# Altium PCB Z693_H93-A_KD01_V1.3_X6.PcbDoc (part 5 of 7) (continued)
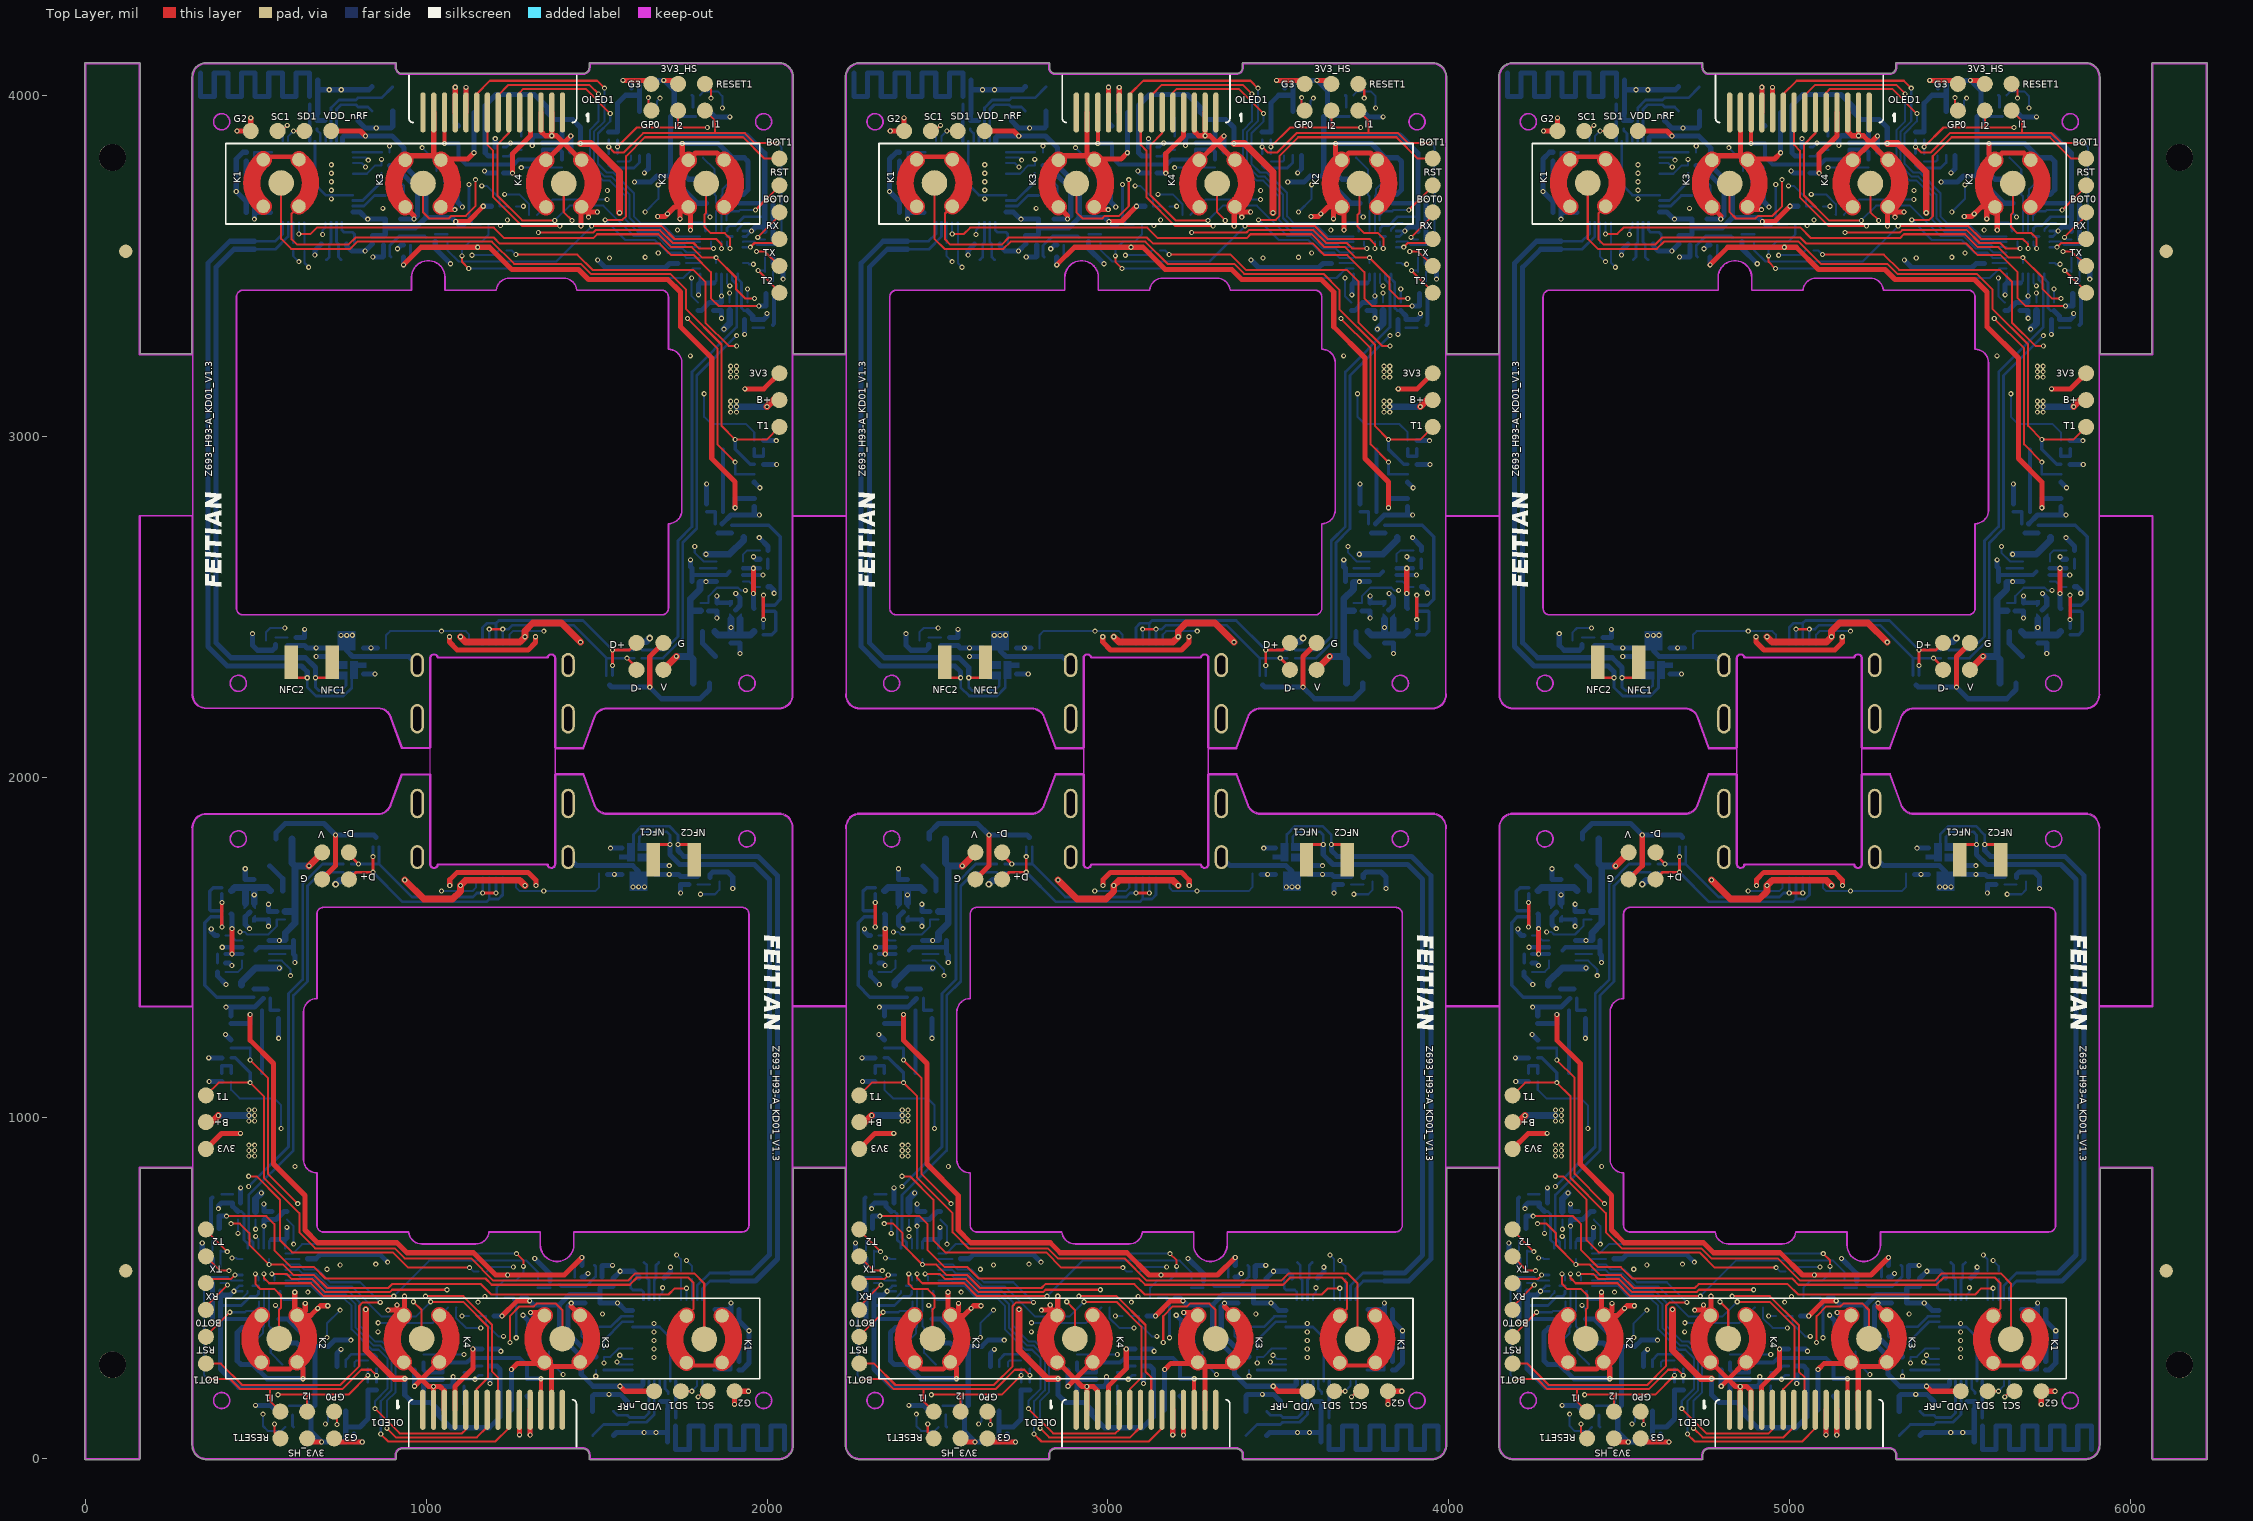
[diagram p0: Top Layer view]
## Nets (pads, with @x,y where several pads share a name; then routed paths per layer and width w, separated by ;. In a path a pad name is that pad's centre, name@x,y a point inside that pad or via, vN(x,y) a via of type N, cw(c..) or ccw(c..) an arc to the next point about the centre after c; other vN are vias at no path point) (continued)
4401.92,433.59 ; 4413.54,3866.49 4413.54,3899.94 v1(4426.59,3912.99) ; 4420.9,507.36 4496.09,507.36 4533.57,469.88 4593.99,469.88 4615.42,448.44 4615.42,379.88 4675.48,319.82 4695.1,319.82 4720.53,294.39 4720.53,205.5 4684.53,169.5 v1(4684.53,146.89) ; 4420.9,523.1 4458.28,523.1 4462.03,519.36 4501.06,519.36 4538.54,481.88 4598.96,481.88 4627.42,453.41 4627.42,384.85 4680.45,331.82 4700.07,331.82 4732.53,299.36 4732.53,200.53 4701.03,169.03 v1(4701.03,72.39) ; 4420.9,538.85 4459.5,538.85 4467,531.36 4506.03,531.36 4543.51,493.88 4603.93,493.88 4639.42,458.38 4639.42,389.82 4685.42,343.82 4705.04,343.82 4744.53,304.33 4744.53,195.56 4719,170.03 v1(4719,89.09) ; 4420.9,554.6 4460.73,554.6 4471.97,543.36 4511,543.36 4548.48,505.88 4615.45,505.88 4704.45,416.88 4803.82,416.88 v1(4847.45,460.51) ; 4420.9,570.35 4461.95,570.35 4476.94,555.36 4515.97,555.36 4553.45,517.88 4640.4,517.88 v1(4699.45,458.82) ; 4420.9,586.1 4462.28,586.1 ; 4420.9,601.84 4442.81,601.84 4470.53,629.56 4747.81,629.56 4775.53,601.84 v1(5099.65,601.84) ; 4426.4,701.65 4445.53,682.53 v1(4445.53,629.56) ; 4429.29,3866.49 4429.29,3880.74 v1(4445.03,3896.49) ; 4444.28,3544.2 4444.28,3529.44 v1(4460.61,3513.12) ; 4444.28,3567.82 4444.28,3627.55 4445.03,3628.3 ; v1(4460.78,3594.3) 4460.78,3628.3 ; 4476.53,3628.3 4477.28,3627.55 4477.28,3567.82 ; 4477.28,3544.2 4477.28,3508.94 v1(4489.61,3496.62) ; v1(4530.61,3592.62) 4530.61,3605.7 4539.52,3614.62 4539.52,3628.3 ; v1(4538.53,101.56) 4546.91,109.94 4546.91,140.17 ; v1(4543.45,355.88) 4543.45,397.3 v1(4582.03,435.88) ; v1(4572.76,100.1) 4572.76,140.17 ; 4619.25,3771.02 4660.01,3771.02 4684.39,3795.4 4703.32,3795.4 v1@4703.32,3813.11 ; 4619.25,3802.51 4644.95,3802.51 v1(4656.53,3790.93) ; 4619.25,3818.26 4657.2,3818.26 v1(4664.53,3810.93) ; 4624.09,270.1 4624.09,283.12 4628.65,287.68 4663.13,287.68 ; v1(4693.49,398.91) 4853.81,398.91 4898.91,444.01 ; 4717.15,2377.4 4717.15,2417.29 4728.53,2428.67 v1(4879.53,2428.67) 4950.52,2428.67 4960.57,2418.62 4960.57,2390.14 ; 4726.94,3747.4 4757.07,3747.4 4769.25,3735.22 4769.25,3707.4 ; 4726.94,3834.01 v1(4726.94,3852.34) ; v1(4739.08,477.01) 4843.13,581.06 5128.92,581.06 5162.47,547.51 5162.47,525 ; v1(4822.61,3847.62) 4864.05,3806.17 4864.05,3779.47 ; 4826.54,305.72 4861.86,305.72 4865.29,302.29 ; v1(4879.27,1665.82) 4970.33,1665.82 4980.38,1675.87 4980.38,1704.35 ; 4888.91,302.29 4892.34,305.72 4910.91,305.72 4911.1,305.53 v1(4945.53,305.53) ; 4891.61,3788.33 4891.84,3788.56 4925.08,3788.56 ; 4896.59,3569.49 4896.59,3546.98 4930.14,3513.43 5215.93,3513.43 v1(5319.98,3617.48) ; 4923.03,443.51 4922.53,444.01 4922.53,412.67 4951.33,383.88 v1(4994.45,383.88) ; v1(4939.53,419.01) 4960.53,419.01 ; v1(4939.53,3529.93) 4939.53,3549.54 4961.92,3571.93 4996.92,3571.93 5017.61,3592.62 5017.61,3622.62 ; v1(4959.41,3492.65) 5283.53,3492.65 5311.25,3464.93 5588.53,3464.93 5616.25,3492.65 5638.16,3492.65 ; v1(4961.61,560.78) 4973.51,548.88 4988.45,548.88 ; v1(4968.96,3531.93) 5033.3,3531.93 5046.99,3545.62 ; 4984.15,419.01 5009.53,419.01 5009.53,395.88 5046.31,359.1 v1(5061.45,359.1) ; v1(4997.61,3735.4) 5012.75,3735.4 5049.53,3698.62 5049.53,3675.48 5074.91,3675.48 ; 5012.07,548.88 5025.76,562.56 v1(5090.1,562.56) ; 5041.45,471.88 5041.45,501.88 5062.14,522.56 5097.14,522.56 5119.53,544.95 v1(5119.53,564.56) ; v1(5064.61,3710.62) 5107.73,3710.62 5136.53,3681.82 5136.53,3650.48 5136.03,3650.98 ; 5070.61,3545.62 5085.55,3545.62 v1(5097.45,3533.72) ; 5078.68,2390.14 5078.68,2418.62 5088.73,2428.67 v1(5179.79,2428.67) ; 5098.49,1704.35 5098.49,1675.87 5108.54,1665.82 v1(5179.53,1665.82) 5330.53,1665.82 5341.91,1677.2 5341.91,1717.1 ; 5098.53,3675.48 v1(5119.53,3675.48) ; v1(5113.53,3788.96) 5147.96,3788.96 5148.15,3788.77 5166.72,3788.77 5170.15,3792.2 ; 5133.98,305.93 5167.22,305.93 5167.45,306.16 ; 5160.15,3650.48 5205.25,3695.58 v1(5365.57,3695.58) ; 5193.77,3792.2 5197.2,3788.77 5232.52,3788.77 ; 5195.01,315.02 5195.01,288.32 v1(5236.45,246.88) ; v1(5211.61,3633.98) 5255.24,3677.62 5354.61,3677.62 5443.61,3588.62 5510.58,3588.62 5548.06,3551.14 5587.09,3551.14 5598.34,3539.89 5638.16,3539.89 ; 5289.81,387.1 5289.81,359.28 5301.99,347.1 5332.12,347.1 ; v1(5332.12,242.15) 5332.12,260.48 ; v1(5340.06,4005.4) 5340.06,3924.46 5314.53,3898.93 5314.53,3790.16 5354.02,3750.67 5373.64,3750.67 5419.64,3704.67 5419.64,3636.11 5455.13,3600.62 5515.55,3600.62 5553.03,3563.14 5592.06,3563.14 5599.56,3555.64 5638.16,3555.64 ; v1@5355.74,281.38 5355.74,299.1 5374.67,299.1 5399.05,323.47 5439.81,323.47 ; v1(5358.03,4022.1) 5358.03,3925.46 5326.53,3893.96 5326.53,3795.13 5358.99,3762.67 5378.61,3762.67 5431.64,3709.64 5431.64,3641.08 5460.1,3612.62 5520.52,3612.62 5558,3575.14 5597.03,3575.14 5600.78,3571.39 5638.16,3571.39 ; v1(5359.61,3635.67) 5418.66,3576.62 5505.61,3576.62 5543.09,3539.14 5582.12,3539.14 5597.11,3524.14 5638.16,3524.14 ; v1(5374.53,3947.6) 5374.53,3924.99 5338.53,3888.99 5338.53,3800.1 5363.96,3774.67 5383.58,3774.67 5443.64,3714.62 5443.64,3646.05 5465.08,3624.62 5525.49,3624.62 5562.97,3587.14 5638.16,3587.14 ; v1(5394.53,283.56) 5401.86,276.23 5439.81,276.23 ; 5395.93,3806.81 5430.41,3806.81 5434.97,3811.37 5434.97,3824.4 ; v1(5402.53,303.56) 5414.11,291.98 5439.81,291.98 ; v1(5477.03,3658.62) 5515.61,3697.19 v1(5515.61,3738.62) ; 5486.3,3954.32 v1(5486.3,3994.39) ; 5512.15,3954.32 5512.15,3984.55 v1(5520.53,3992.93) ; 5519.54,466.19 5519.54,479.88 5528.45,488.79 v1(5528.45,501.88) ; v1(5569.45,597.88) 5581.78,585.55 5581.78,550.29 ; 5581.78,526.67 5581.78,466.94 5582.53,466.19 ; 5596.78,3508.4 5638.16,3508.4 ; 5598.28,466.19 v1(5598.28,500.19) ; v1(5598.45,581.38) 5614.78,565.05 5614.78,550.29 ; v1(5613.53,3464.93) 5613.53,3411.96 5632.66,3392.84 ; v1(5614.03,198) 5629.77,213.75 5629.77,228 ; 5614.03,466.19 5614.78,466.94 5614.78,526.67 ; v1(5622.53,2676.93) 5622.53,2658.93 5648.54,2632.92 5685.78,2632.92 ; 5630.99,1684.65 5667.22,1684.65 ; v1(5632.47,181.5) 5645.52,194.55 5645.52,228 ; 5637.92,4001.4 5649.14,4012.62 5689.61,4012.62 5703.61,3998.62 v1(5703.61,3963.62) ; 5638.14,2613.24 5685.78,2613.24 ; 5639.15,2511.91 5663.15,2511.91 5663.15,2531.4 5687.8,2556.04 5749.42,2556.04 5757.03,2548.43 v1(5771.03,2548.43) ; v1(5639.53,1656.56) 5682.14,1656.56 5694.78,1669.21 5694.78,1693.51 ; 5646.53,3817.89 5680.77,3783.65 5680.77,3709.9 5685.4,3705.26 5685.4,3684.52 ; v1(5650.27,3125.19) 5650.27,3057.68 5670.81,3037.14 5772.11,3037.14 5797.15,3012.1 5797.15,2987.62 ; 5657.14,3660.9 5657.14,3654.32 v1(5667.14,3644.32) ; 5669.66,3571.39 5669.66,3559.9 v1(5677.65,3551.91) ; 5685.4,3508.4 v1(5685.4,3524.82) ; 5685.4,3602.88 5685.4,3660.9 ; v1(5701.15,3551.91) 5701.15,3571.39 ; 5701.15,3602.88 5701.15,3706.91 5704.14,3709.9 5704.14,3725.9 5733.14,3754.9 ; v2(5715.31,3633.71) 5715.31,3648.44 5727.77,3660.9 5752.25,3660.9 5755.97,3664.62 v1(5800.88,3664.62) ; 5716.9,3476.9 5716.9,3450.18 v1(5725.15,3441.93) ; 5716.9,3571.39 5716.9,3560.91 v1(5725.9,3551.91) ; 5725.15,3392.84 v1@5725.15,3420.93 ; 5748.4,3602.88 5748.4,3607.38 5766.95,3625.93 v2(5782.53,3625.93) ; 5764.14,3508.4 5779.53,3508.4 5782.49,3505.43 v1(5794.53,3505.43) v1@5798.53,3505.43 ; 5764.14,3571.39 5764.9,3572.14 5796.4,3572.14 5806.65,3561.9 5863.92,3561.9 5876.61,3574.58 5876.61,3850.03 v1(5866.05,3860.59) ; 5764.52,2573.87 5782.68,2573.87 5797.68,2558.87 5813.9,2558.87 ; 5764.52,2632.92 5764.52,2653.77 5776.68,2665.92 5813.9,2665.92 ; 5777.15,3392.84 v1(5777.15,3433.06) ; v1(5807.48,3584.4) 5813.48,3578.4 5828.15,3578.4 ; v1(5808.53,3486.93) 5824.62,3486.93 5828.15,3483.4 5828.15,3507.4 5828.15,3531.49 ; 5842.75,3446.69 5851.77,3455.72 5851.77,3483.4
  Bottom Layer w8: 396.26,449.69 456.98,449.69 483.58,476.29 500.62,476.29 507.51,483.19 v2(507.51,491.61) ; 399.84,775.84 431.77,775.84 ; 427.26,1205.1 483.26,1205.1 v1(483.26,1169.94) ; v1@431.54,491.61 v1(435.26,491.61) ; v1(438.59,538.85) 460.27,538.85 ; 447.26,725.28 457.37,725.28 464.88,717.77 464.88,642.39 476.02,631.26 476.02,617.59 ; 460.27,491.61 v1(435.26,491.61) ; 460.27,507.36 451.01,507.36 v1(435.26,491.61) ; v1(478.88,798.56) 595.88,915.56 595.88,1364.95 637.26,1406.33 637.26,1687.13 695.23,1745.1 756.64,1745.1 ; v2(491.76,507.36) 507.51,507.36 ; 491.76,617.59 491.76,635.31 478.88,648.19 478.88,773.81 609.88,904.81 609.88,1359.15 651.26,1400.53 651.26,1681.33 691.02,1721.1 756.64,1721.1 ; 495.41,3808.4 495.41,3834.01 546.41,3834.01 ; 495.5,3549.4 557.5,3549.4 594.64,3586.53 594.64,3628.3 ; 495.5,3573.02 557.13,3573.02 578.89,3594.78 578.89,3628.3 ; 523.26,617.59 v1(523.26,682.56) ; 539.01,617.59 539.01,636.88 546.01,643.88 ; 570.5,491.61 570.5,478.66 581.6,467.56 604.46,467.56 614.07,477.17 v1(614.07,488.64) ; 586.25,617.59 586.25,643.88 ; 598.76,155.6 653.12,155.6 653.12,186.21 649.73,189.6 ; 607.12,128.54 607.12,96.1 610.12,93.1 ; v1(650.88,2291.93) 650.88,2263.88 676.58,2238.19 757.3,2238.19 781.58,2262.47 781.58,2306.4 ; 673.38,3866.49 673.38,3755.27 665.5,3747.4 704.87,3708.03 784.6,3708.03 ; v1(674.74,2291.93) 674.74,2264.03 684.58,2254.19 749.3,2254.19 764.5,2269.4 764.5,2303.86 ; 679.5,3903.4 679.5,3898.4 689.13,3888.77 689.13,3866.49 ; 704.87,3866.49 704.87,3903.03 ; 707.2,3518.4 715.5,3526.7 715.5,3564.4 720.62,3569.51 720.62,3628.3 ; 720.62,3866.49 720.62,3964.31 743.71,3987.4 793.54,3987.4 800,3993.85 869.09,3993.85 901.56,4026.32 ; 736.37,3628.3 736.37,3570.53 742.5,3564.4 742.5,3526.4 750.5,3518.4 ; 736.37,3866.49 736.37,3960.26 749.5,3973.4 793.45,3973.4 800,3966.85 828.98,3966.85 840.44,3955.39 ; 752.12,3628.3 752.12,3605.78 758.5,3599.4 783.5,3599.4 789.5,3593.4 789.5,3567.82 ; 763.85,270.1 763.85,290.28 780.39,306.82 846.62,306.82 854.07,299.37 854.07,287.68 ; 780.26,1697.1 780.26,1721.1 v1(843.54,1721.1) 930.32,1634.32 1176.83,1634.32 1185.1,1642.6 ; 780.26,1745.1 v1(800.88,1745.1) 861.26,1745.1 ; 784.6,3676.53 817.6,3676.53 848.47,3707.4 879.6,3707.4 ; 784.6,3692.28 813.55,3692.28 868.67,3747.4 868.67,3771.4 ; 784.6,3834.01 868.67,3834.01 ; 828.48,224.72 v1(828.48,244.56) 828.48,264.06 ; v1(843.54,1766.81) 843.54,1796.1 ; 854.07,224.72 v1(854.07,244.56) 854.07,264.06 ; 861.26,1796.1 861.26,1745.1 ; 896.22,3526.95 892.75,3530.43 892.75,3560.31 921.39,3588.95 944.86,3588.95 994.24,3588.95 998.95,3584.25 ; 953.72,3561.4 953.72,3529.95 956.72,3526.95 ; 1026.5,3593.11 1061.95,3593.11 ; 1110.76,159.88 1110.76,213.41 ; 1110.76,233.1 v1(1142.88,233.1) 1154.88,245.1 1163.63,245.1 ; 1110.76,252.78 1128.1,252.78 1147.1,271.78 1163.63,271.78 ; v1(1125.63,3739.43) 1125.63,3635.73 1133.5,3627.86 1133.5,3622.48 1159.21,3622.48 ; 1165.29,2390.14 1165.29,2439.46 1177.73,2451.9 1204.66,2451.9 ; 1165.42,1704.35 v1(1165.42,1660.1) 1148.34,1660.1 1136.57,1648.32 958.04,1648.32 861.26,1745.1 ; 1184.98,2390.14 v1(1184.98,2434.4) ; 1185.1,1704.35 1185.1,1642.6 ; 1204.66,2390.14 1204.66,2451.9 ; v1(1204.79,1660.1) 1204.79,1704.35 ; 1224.35,2390.14 v1(1224.35,2434.4) 1241.42,2434.4 1253.2,2446.17 1431.73,2446.17 1528.5,2349.4 ; 1224.47,1704.35 1224.47,1655.03 1212.04,1642.6 1185.1,1642.6 ; 1226.13,3822.71 1242.66,3822.71 1261.66,3841.71 1279.01,3841.71 ; 1226.13,3849.4 1234.88,3849.4 v1(1246.88,3861.4) 1279.01,3861.4 ; 1230.56,472.01 1256.26,472.01 1256.26,466.63 1264.13,458.76 v1(1264.13,355.06) ; 1279.01,3881.08 1279.01,3934.62 ; 1327.82,501.38 1363.26,501.38 ; 1390.82,510.24 1395.52,505.54 1444.9,505.54 1468.37,505.54 1497.02,534.18 1497.02,564.06 1493.54,567.54 ; 1433.04,567.54 1436.04,564.54 1436.04,533.1 ; 1488.21,68.17 1520.68,100.64 1589.77,100.64 1596.23,107.1 1646.06,107.1 1669.14,130.18 1669.14,228 ; 1510.17,387.1 1541.3,387.1 1572.16,417.96 1605.17,417.96 ; 1521.1,260.48 1605.17,260.48 ; 1521.1,323.1 1521.1,347.1 1576.21,402.21 1605.17,402.21 ; 1528.5,2298.4 1528.5,2349.4 ; 1535.69,3806.81 1535.69,3795.12 1543.14,3787.67 1609.37,3787.67 1625.91,3804.21 1625.91,3824.4 ; 1535.69,3830.43 v1(1535.69,3849.93) 1535.69,3869.77 ; 1546.22,2298.4 v1(1546.22,2327.68) ; 1549.33,139.1 1560.79,127.64 1589.77,127.64 1596.31,121.1 1640.26,121.1 1653.39,134.23 1653.39,228 ; 1561.28,3830.43 v1(1561.28,3849.93) 1561.28,3869.77 ; 1600.26,526.67 1600.26,501.1 1606.26,495.1 1631.26,495.1 1637.65,488.71 1637.65,466.19 ; 1605.17,386.47 1684.89,386.47 1724.26,347.09 1716.39,339.22 1716.39,228 ; 1608.19,1788.1 1608.19,1832.02 1632.47,1856.3 1713.19,1856.3 1738.88,1830.61 v1(1738.88,1802.56) ; 1609.5,2349.4 v1(1588.88,2349.4) 1528.5,2349.4 ; 1609.5,2397.4 1609.5,2373.4 v1(1546.22,2373.4) 1459.45,2460.17 1212.94,2460.17 1204.66,2451.9 ; 1625.26,1790.63 1625.26,1825.1 1640.47,1840.3 1705.19,1840.3 1715.02,1830.46 v1(1715.02,1802.56) ; 1633.13,2349.4 1694.54,2349.4 1752.5,2407.36 1752.5,2688.16 1793.88,2729.54 1793.88,3178.93 v1(1910.88,3295.93) ; 1633.13,2373.4 1698.74,2373.4 1738.5,2413.16 1738.5,2693.96 1779.88,2735.34 1779.88,3189.68 1910.88,3320.68 1910.88,3446.3 1898,3459.18 1898,3476.9 ; 1639.26,576.1 1647.26,568.1 1647.26,530.1 1653.39,523.96 1653.39,466.19 ; 1669.14,466.19 1669.14,524.98 1674.26,530.1 1674.26,567.79 1682.57,576.1 ; 1684.89,191.47 1684.89,228 ; 1700.64,228 1700.64,205.72 1710.26,196.1 1710.26,191.1 ; 1740.03,3904.89 1736.65,3908.28 1736.65,3938.89 1791.01,3938.89 ; v1(1775.7,3605.85) 1775.7,3617.32 1785.31,3626.93 1808.16,3626.93 1819.26,3615.83 1819.26,3602.88 ; 1779.65,4001.4 1782.65,3998.4 1782.65,3965.95 ; 1795.13,466.19 1795.13,507.96 1832.26,545.1 1894.26,545.1 ; 1803.51,3450.62 1803.51,3476.9 ; 1810.87,466.19 1810.87,499.71 1832.64,521.47 1894.26,521.47 ; 1843.35,260.48 1894.35,260.48 1894.35,286.1 ; 1843.76,3450.62 1850.76,3457.62 1850.76,3476.9 ; v1(1866.5,3411.93) 1866.5,3476.9 ; 1882.25,3587.14 v2(1898,3587.14) ; v2(1882.25,3602.88) 1882.25,3611.3 1889.15,3618.2 1906.18,3618.2 1932.78,3644.8 1993.5,3644.8 ; v1(1906.5,2924.55) 1906.5,2889.4 1962.5,2889.4 ; 1913.75,3476.9 1913.75,3463.23 1924.88,3452.1 1924.88,3376.73 1932.39,3369.21 1942.5,3369.21 ; 1929.5,3555.64 v1(1951.18,3555.64) ; 1929.5,3587.14 1938.76,3587.14 v1(1954.5,3602.88) ; 1929.5,3602.88 v1(1954.5,3602.88) ; 1957.99,3318.65 1989.93,3318.65 ; v1@1958.23,3602.88 v1(1954.5,3602.88) ; 2313.58,449.69 2374.31,449.69 2400.91,476.29 2417.94,476.29 2424.84,483.19 v2(2424.84,491.61) ; 2317.16,775.84 2349.1,775.84 ; 2344.58,1205.1 2400.58,1205.1 v1(2400.58,1169.94) ; v1@2348.86,491.61 v1(2352.58,491.61) ; v1(2355.91,538.85) 2377.59,538.85 ; 2364.58,725.28 2374.7,725.28 2382.21,717.77 2382.21,642.39 2393.34,631.26 2393.34,617.59 ; 2377.59,491.61 v1(2352.58,491.61) ; 2377.59,507.36 2368.33,507.36 v1(2352.58,491.61) ; v1(2396.21,798.56) 2513.21,915.56 2513.21,1364.95 2554.58,1406.33 2554.58,1687.13 2612.55,1745.1 2673.96,1745.1 ; v2(2409.09,507.36) 2424.84,507.36 ; 2409.09,617.59 2409.09,635.31 2396.21,648.19 2396.21,773.81 2527.21,904.81 2527.21,1359.15 2568.58,1400.53 2568.58,1681.33 2608.35,1721.1 2673.96,1721.1 ; 2412.73,3808.4 2412.73,3834.01 2463.73,3834.01 ; 2412.83,3549.4 2474.83,3549.4 2511.96,3586.53 2511.96,3628.3 ; 2412.83,3573.02 2474.45,3573.02 2496.21,3594.78 2496.21,3628.3 ; 2440.58,617.59 v1(2440.58,682.56) ; 2456.33,617.59 2456.33,636.88 2463.33,643.88 ; 2487.83,491.61 2487.83,478.66 2498.93,467.56 2521.78,467.56 2531.39,477.17 v1(2531.39,488.64) ; 2503.58,617.59 2503.58,643.88 ; 2516.08,155.6 2570.44,155.6 2570.44,186.21 2567.06,189.6 ; 2524.44,128.54 2524.44,96.1 2527.44,93.1 ; v1(2568.21,2291.93) 2568.21,2263.88 2593.9,2238.19 2674.62,2238.19 2698.9,2262.47 2698.9,2306.4 ; 2590.7,3866.49 2590.7,3755.27 2582.83,3747.4 2622.2,3708.03 2701.92,3708.03 ; v1(2592.06,2291.93) 2592.06,2264.03 2601.9,2254.19 2666.62,2254.19 2681.83,2269.4 2681.83,2303.86 ; 2596.83,3903.4 2596.83,3898.4 2606.45,3888.77 2606.45,3866.49 ; 2622.2,3866.49 2622.2,3903.03 ; 2624.52,3518.4 2632.83,3526.7 2632.83,3564.4 2637.95,3569.51 2637.95,3628.3 ; 2637.95,3866.49 2637.95,3964.31 2661.03,3987.4 2710.86,3987.4 2717.32,3993.85 2786.41,3993.85 2818.88,4026.32 ; 2653.69,3628.3 2653.69,3570.53 2659.83,3564.4 2659.83,3526.4 2667.83,3518.4 ; 2653.69,3866.49 2653.69,3960.26 2666.83,3973.4 2710.78,3973.4 2717.32,3966.85 2746.3,3966.85 2757.76,3955.39 ; 2669.44,3628.3 2669.44,3605.78 2675.83,3599.4 2700.83,3599.4 2706.83,3593.4 2706.83,3567.82 ; 2681.17,270.1 2681.17,290.28 2697.72,306.82 2763.95,306.82 2771.4,299.37 2771.4,287.68 ; 2697.58,1697.1 2697.58,1721.1 v1(2760.87,1721.1) 2847.64,1634.32 3094.15,1634.32 3102.43,1642.6 ; 2697.58,1745.1 v1(2718.21,1745.1) 2778.58,1745.1 ; 2701.92,3676.53 2734.93,3676.53 2765.79,3707.4 2796.92,3707.4 ; 2701.92,3692.28 2730.88,3692.28 2785.99,3747.4 2785.99,3771.4 ; 2701.92,3834.01 2785.99,3834.01 ; 2745.8,224.72 v1(2745.8,244.56) 2745.8,264.06 ; v1(2760.87,1766.81) 2760.87,1796.1 ; 2771.4,224.72 v1(2771.4,244.56) 2771.4,264.06 ; 2778.58,1796.1 2778.58,1745.1 ; 2813.55,3526.95 2810.07,3530.43 2810.07,3560.31 2838.72,3588.95 2862.19,3588.95 2911.57,3588.95 2916.27,3584.25 ; 2871.05,3561.4 2871.05,3529.95 2874.05,3526.95 ; 2943.83,3593.11 2979.27,3593.11 ; 3028.08,159.88 3028.08,213.41 ; 3028.08,233.1 v1(3060.21,233.1) 3072.21,245.1 3080.95,245.1 ; 3028.08,252.78 3045.43,252.78 3064.43,271.78 3080.95,271.78 ; v1(3042.96,3739.43) 3042.96,3635.73 3050.83,3627.86 3050.83,3622.48 3076.53,3622.48 ; 3082.62,2390.14 3082.62,2439.46 3095.05,2451.9 3121.99,2451.9 ; 3082.74,1704.35 v1(3082.74,1660.1) 3065.67,1660.1 3053.89,1648.32 2875.36,1648.32 2778.58,1745.1 ; 3102.3,2390.14 v1(3102.3,2434.4) ; 3102.43,1704.35 3102.43,1642.6 ; 3121.99,2390.14 3121.99,2451.9 ; v1(3122.11,1660.1) 3122.11,1704.35 ; 3141.67,2390.14 v1(3141.67,2434.4) 3158.75,2434.4 3170.52,2446.17 3349.05,2446.17 3445.83,2349.4 ; 3141.8,1704.35 3141.8,1655.03 3129.36,1642.6 3102.43,1642.6 ; 3143.46,3822.71 3159.99,3822.71 3178.99,3841.71 3196.33,3841.71 ; 3143.46,3849.4 3152.21,3849.4 v1(3164.21,3861.4) 3196.33,3861.4 ; 3147.88,472.01 3173.58,472.01 3173.58,466.63 3181.46,458.76 v1(3181.46,355.06) ; 3196.33,3881.08 3196.33,3934.62 ; 3245.14,501.38 3280.58,501.38 ; 3308.14,510.24 3312.84,505.54 3362.23,505.54 3385.7,505.54 3414.34,534.18 3414.34,564.06 3410.87,567.54 ; 3350.37,567.54 3353.37,564.54 3353.37,533.1 ; 3405.53,68.17 3438,100.64 3507.09,100.64 3513.55,107.1 3563.38,107.1 3586.47,130.18 3586.47,228 ; 3427.49,387.1 3458.62,387.1 3489.49,417.96 3522.49,417.96 ; 3438.42,260.48 3522.49,260.48 ; 3438.42,323.1 3438.42,347.1 3493.54,402.21 3522.49,402.21 ; 3445.83,2298.4 3445.83,2349.4 ; 3453.02,3806.81 3453.02,3795.12 3460.47,3787.67 3526.69,3787.67 3543.24,3804.21 3543.24,3824.4 ; 3453.02,3830.43 v1(3453.02,3849.93) 3453.02,3869.77 ; 3463.55,2298.4 v1(3463.55,2327.68) ; 3466.65,139.1 3478.11,127.64 3507.09,127.64 3513.63,121.1 3557.58,121.1 3570.72,134.23 3570.72,228 ; 3478.61,3830.43 v1(3478.61,3849.93) 3478.61,3869.77 ; 3517.58,526.67 3517.58,501.1 3523.58,495.1 3548.58,495.1 3554.97,488.71 3554.97,466.19 ; 3522.49,386.47 3602.21,386.47 3641.58,347.09 3633.71,339.22 3633.71,228 ; 3525.51,1788.1 3525.51,1832.02 3549.79,1856.3 3630.51,1856.3 3656.21,1830.61 v1(3656.21,1802.56) ; 3526.83,2349.4 v1(3506.21,2349.4) 3445.83,2349.4 ; 3526.83,2397.4 3526.83,2373.4 v1(3463.55,2373.4) 3376.77,2460.17 3130.26,2460.17 3121.99,2451.9 ; 3542.58,1790.63 3542.58,1825.1 3557.79,1840.3 3622.51,1840.3 3632.35,1830.46 v1(3632.35,1802.56) ; 3550.45,2349.4 3611.86,2349.4 3669.83,2407.36 3669.83,2688.16 3711.21,2729.54 3711.21,3178.93 v1(3828.21,3295.93) ; 3550.45,2373.4 3616.06,2373.4 3655.83,2413.16 3655.83,2693.96 3697.21,2735.34 3697.21,3189.68 3828.21,3320.68 3828.21,3446.3 3815.32,3459.18 3815.32,3476.9 ; 3556.58,576.1 3564.58,568.1 3564.58,530.1 3570.72,523.96 3570.72,466.19 ; 3586.47,466.19 3586.47,524.98 3591.58,530.1 3591.58,567.79 3599.89,576.1 ; 3602.21,191.47 3602.21,228 ; 3617.96,228 3617.96,205.72 3627.58,196.1 3627.58,191.1 ; 3657.36,3904.89 3653.97,3908.28 3653.97,3938.89 3708.33,3938.89 ; v1(3693.02,3605.85) 3693.02,3617.32 3702.63,3626.93 3725.49,3626.93 3736.58,3615.83 3736.58,3602.88 ; 3696.97,4001.4 3699.97,3998.4 3699.97,3965.95 ; 3712.45,466.19 3712.45,507.96 3749.58,545.1 3811.58,545.1 ; 3720.84,3450.62 3720.84,3476.9 ; 3728.2,466.19 3728.2,499.71 3749.96,521.47 3811.58,521.47 ; 3760.68,260.48 3811.68,260.48 3811.68,286.1 ; 3761.08,3450.62 3768.08,3457.62 3768.08,3476.9 ; v1(3783.83,3411.93) 3783.83,3476.9 ; 3799.58,3587.14 v2(3815.32,3587.14) ; v2(3799.58,3602.88) 3799.58,3611.3 3806.47,3618.2 3823.51,3618.2 3850.11,3644.8 3910.83,3644.8 ; v1(3823.83,2924.55) 3823.83,2889.4 3879.83,2889.4 ; 3831.07,3476.9 3831.07,3463.23 3842.21,3452.1 3842.21,3376.73 3849.72,3369.21 3859.83,3369.21 ; 3846.82,3555.64 v1(3868.5,3555.64) ; 3846.82,3587.14 3856.08,3587.14 v1(3871.83,3602.88) ; 3846.82,3602.88 v1(3871.83,3602.88) ; 3875.32,3318.65 3907.25,3318.65 ; v1@3875.55,3602.88 v1(3871.83,3602.88) ; 4230.91,449.69 4291.63,449.69 4318.23,476.29 4335.26,476.29 4342.16,483.19 v2(4342.16,491.61) ; 4234.48,775.84 4266.42,775.84 ; 4261.91,1205.1 4317.91,1205.1 v1(4317.91,1169.94) ; v1@4266.18,491.61 v1(4269.91,491.61) ; v1(4273.24,538.85) 4294.92,538.85 ; 4281.91,725.28 4292.02,725.28 4299.53,717.77 4299.53,642.39 4310.66,631.26 4310.66,617.59 ; 4294.92,491.61 v1(4269.91,491.61) ; 4294.92,507.36 4285.66,507.36 v1(4269.91,491.61) ; v1(4313.53,798.56) 4430.53,915.56 4430.53,1364.95 4471.91,1406.33 4471.91,1687.13 4529.87,1745.1 4591.29,1745.1 ; v2(4326.41,507.36) 4342.16,507.36 ; 4326.41,617.59 4326.41,635.31 4313.53,648.19 4313.53,773.81 4444.53,904.81 4444.53,1359.15 4485.91,1400.53 4485.91,1681.33 4525.67,1721.1 4591.29,1721.1 ; 4330.06,3808.4 4330.06,3834.01 4381.06,3834.01 ; 4330.15,3549.4 4392.15,3549.4 4429.29,3586.53 4429.29,3628.3 ; 4330.15,3573.02 4391.77,3573.02 4413.54,3594.78 4413.54,3628.3 ; 4357.91,617.59 v1(4357.91,682.56) ; 4373.66,617.59 4373.66,636.88 4380.66,643.88 ; 4405.15,491.61 4405.15,478.66 4416.25,467.56 4439.1,467.56 4448.72,477.17 v1(4448.72,488.64) ; 4420.9,617.59 4420.9,643.88 ; 4433.4,155.6 4487.77,155.6 4487.77,186.21 4484.38,189.6 ; 4441.77,128.54 4441.77,96.1 4444.77,93.1 ; v1(4485.53,2291.93) 4485.53,2263.88 4511.22,2238.19 4591.95,2238.19 4616.22,2262.47 4616.22,2306.4 ; 4508.03,3866.49 4508.03,3755.27 4500.15,3747.4 4539.52,3708.03 4619.25,3708.03 ; v1(4509.39,2291.93) 4509.39,2264.03 4519.22,2254.19 4583.95,2254.19 4599.15,2269.4 4599.15,2303.86 ; 4514.15,3903.4 4514.15,3898.4 4523.77,3888.77 4523.77,3866.49 ; 4539.52,3866.49 4539.52,3903.03 ; 4541.85,3518.4 4550.15,3526.7 4550.15,3564.4 4555.27,3569.51 4555.27,3628.3 ; 4555.27,3866.49 4555.27,3964.31 4578.35,3987.4 4628.19,3987.4 4634.64,3993.85 4703.74,3993.85 4736.2,4026.32 ; 4571.02,3628.3 4571.02,3570.53 4577.15,3564.4 4577.15,3526.4 4585.15,3518.4 ; 4571.02,3866.49 4571.02,3960.26 4584.15,3973.4 4628.1,3973.4 4634.64,3966.85 4663.62,3966.85 4675.09,3955.39 ; 4586.77,3628.3 4586.77,3605.78 4593.15,3599.4 4618.15,3599.4 4624.15,3593.4 4624.15,3567.82 ; 4598.5,270.1 4598.5,290.28 4615.04,306.82 4681.27,306.82 4688.72,299.37 4688.72,287.68 ; 4614.91,1697.1 4614.91,1721.1 v1(4678.19,1721.1) 4764.97,1634.32 5011.48,1634.32 5019.75,1642.6 ; 4614.91,1745.1 v1(4635.53,1745.1) 4695.91,1745.1 ; 4619.25,3676.53 4652.25,3676.53 4683.12,3707.4 4714.25,3707.4 ; 4619.25,3692.28 4648.2,3692.28 4703.32,3747.4 4703.32,3771.4 ; 4619.25,3834.01 4703.32,3834.01 ; 4663.13,224.72 v1(4663.13,244.56) 4663.13,264.06 ; v1(4678.19,1766.81) 4678.19,1796.1 ; 4688.72,224.72 v1(4688.72,244.56) 4688.72,264.06 ; 4695.91,1796.1 4695.91,1745.1 ; 4730.87,3526.95 4727.4,3530.43 4727.4,3560.31 4756.04,3588.95 4779.51,3588.95 4828.89,3588.95 4833.59,3584.25 ; 4788.37,3561.4 4788.37,3529.95 4791.37,3526.95 ; 4861.15,3593.11 4896.59,3593.11 ; 4945.4,159.88 4945.4,213.41 ; 4945.4,233.1 v1(4977.53,233.1) 4989.53,245.1 4998.28,245.1 ; 4945.4,252.78 4962.75,252.78 4981.75,271.78 4998.28,271.78 ; v1(4960.28,3739.43) 4960.28,3635.73 4968.15,3627.86 4968.15,3622.48 4993.85,3622.48 ; 4999.94,2390.14 4999.94,2439.46 5012.38,2451.9 5039.31,2451.9 ; 5000.07,1704.35 v1(5000.07,1660.1) 4982.99,1660.1 4971.21,1648.32 4792.68,1648.32 4695.91,1745.1 ; 5019.62,2390.14 v1(5019.62,2434.4) ; 5019.75,1704.35 5019.75,1642.6 ; 5039.31,2390.14 5039.31,2451.9 ; v1(5039.44,1660.1) 5039.44,1704.35 ; 5059,2390.14 v1(5059,2434.4) 5076.07,2434.4 5087.85,2446.17 5266.38,2446.17 5363.15,2349.4 ; 5059.12,1704.35 5059.12,1655.03 5046.68,1642.6 5019.75,1642.6 ; 5060.78,3822.71 5077.31,3822.71 5096.31,3841.71 5113.66,3841.71 ; 5060.78,3849.4 5069.53,3849.4 v1(5081.53,3861.4) 5113.66,3861.4 ; 5065.21,472.01 5090.91,472.01 5090.91,466.63 5098.78,458.76 v1(5098.78,355.06) ; 5113.66,3881.08 5113.66,3934.62 ; 5162.47,501.38 5197.91,501.38 ; 5225.47,510.24 5230.17,505.54 5279.55,505.54 5303.02,505.54 5331.66,534.18 5331.66,564.06 5328.19,567.54 ; 5267.69,567.54 5270.69,564.54 5270.69,533.1 ; 5322.86,68.17 5355.32,100.64 5424.42,100.64 5430.87,107.1 5480.71,107.1 5503.79,130.18 5503.79,228 ; 5344.81,387.1 5375.94,387.1 5406.81,417.96 5439.81,417.96 ; 5355.74,260.48 5439.81,260.48 ; 5355.74,323.1 5355.74,347.1 5410.86,402.21 5439.81,402.21 ; 5363.15,2298.4 5363.15,2349.4 ; 5370.34,3806.81 5370.34,3795.12 5377.79,3787.67 5444.02,3787.67 5460.56,3804.21 5460.56,3824.4 ; 5370.34,3830.43 v1(5370.34,3849.93) 5370.34,3869.77 ; 5380.87,2298.4 v1(5380.87,2327.68) ; 5383.97,139.1 5395.44,127.64 5424.42,127.64 5430.96,121.1 5474.91,121.1 5488.04,134.23 5488.04,228 ; 5395.93,3830.43 v1(5395.93,3849.93) 5395.93,3869.77 ; 5434.91,526.67 5434.91,501.1 5440.91,495.1 5465.91,495.1 5472.29,488.71 5472.29,466.19 ; 5439.81,386.47 5519.54,386.47 5558.91,347.09 5551.03,339.22 5551.03,228 ; 5442.84,1788.1 5442.84,1832.02 5467.11,1856.3 5547.84,1856.3 5573.53,1830.61 v1(5573.53,1802.56) ; 5444.15,2349.4 v1(5423.53,2349.4) 5363.15,2349.4 ; 5444.15,2397.4 5444.15,2373.4 v1(5380.87,2373.4) 5294.09,2460.17 5047.59,2460.17 5039.31,2451.9 ; 5459.91,1790.63 5459.91,1825.1 5475.11,1840.3 5539.84,1840.3 5549.67,1830.46 v1(5549.67,1802.56) ; 5467.77,2349.4 5529.19,2349.4 5587.15,2407.36 5587.15,2688.16 5628.53,2729.54 5628.53,3178.93 v1(5745.53,3295.93) ; 5467.77,2373.4 5533.39,2373.4 5573.15,2413.16 5573.15,2693.96 5614.53,2735.34 5614.53,3189.68 5745.53,3320.68 5745.53,3446.3 5732.65,3459.18 5732.65,3476.9 ; 5473.91,576.1 5481.91,568.1 5481.91,530.1 5488.04,523.96 5488.04,466.19 ; 5503.79,466.19 5503.79,524.98 5508.91,530.1 5508.91,567.79 5517.21,576.1 ; 5519.54,191.47 5519.54,228 ; 5535.29,228 5535.29,205.72 5544.91,196.1 5544.91,191.1 ; 5574.68,3904.89 5571.29,3908.28 5571.29,3938.89 5625.66,3938.89 ; v1(5610.35,3605.85) 5610.35,3617.32 5619.96,3626.93 5642.81,3626.93 5653.91,3615.83 5653.91,3602.88 ; 5614.29,4001.4 5617.29,3998.4 5617.29,3965.95 ; 5629.77,466.19 5629.77,507.96 5666.91,545.1 5728.91,545.1 ; 5638.16,3450.62 5638.16,3476.9 ; 5645.52,466.19 5645.52,499.71 5667.29,521.47 5728.91,521.47 ; 5678,260.48 5729,260.48 5729,286.1 ; 5678.4,3450.62 5685.4,3457.62 5685.4,3476.9 ; v1(5701.15,3411.93) 5701.15,3476.9 ; 5716.9,3587.14 v2(5732.65,3587.14) ; v2(5716.9,3602.88) 5716.9,3611.3 5723.8,3618.2 5740.83,3618.2 5767.43,3644.8 5828.15,3644.8 ; v1(5741.15,2924.55) 5741.15,2889.4 5797.15,2889.4 ; 5748.4,3476.9 5748.4,3463.23 5759.53,3452.1 5759.53,3376.73 5767.04,3369.21 5777.15,3369.21 ; 5764.14,3555.64 v1(5785.82,3555.64) ; 5764.14,3587.14 5773.4,3587.14 v1(5789.15,3602.88) ; 5764.14,3602.88 v1(5789.15,3602.88) ; 5792.64,3318.65 5824.58,3318.65 ; v1@5792.88,3602.88 v1(5789.15,3602.88)